# EAGLE board AU_MacroPad - 8 Panel (EAGLE 9.6.2), part 1 of 5
REV: D
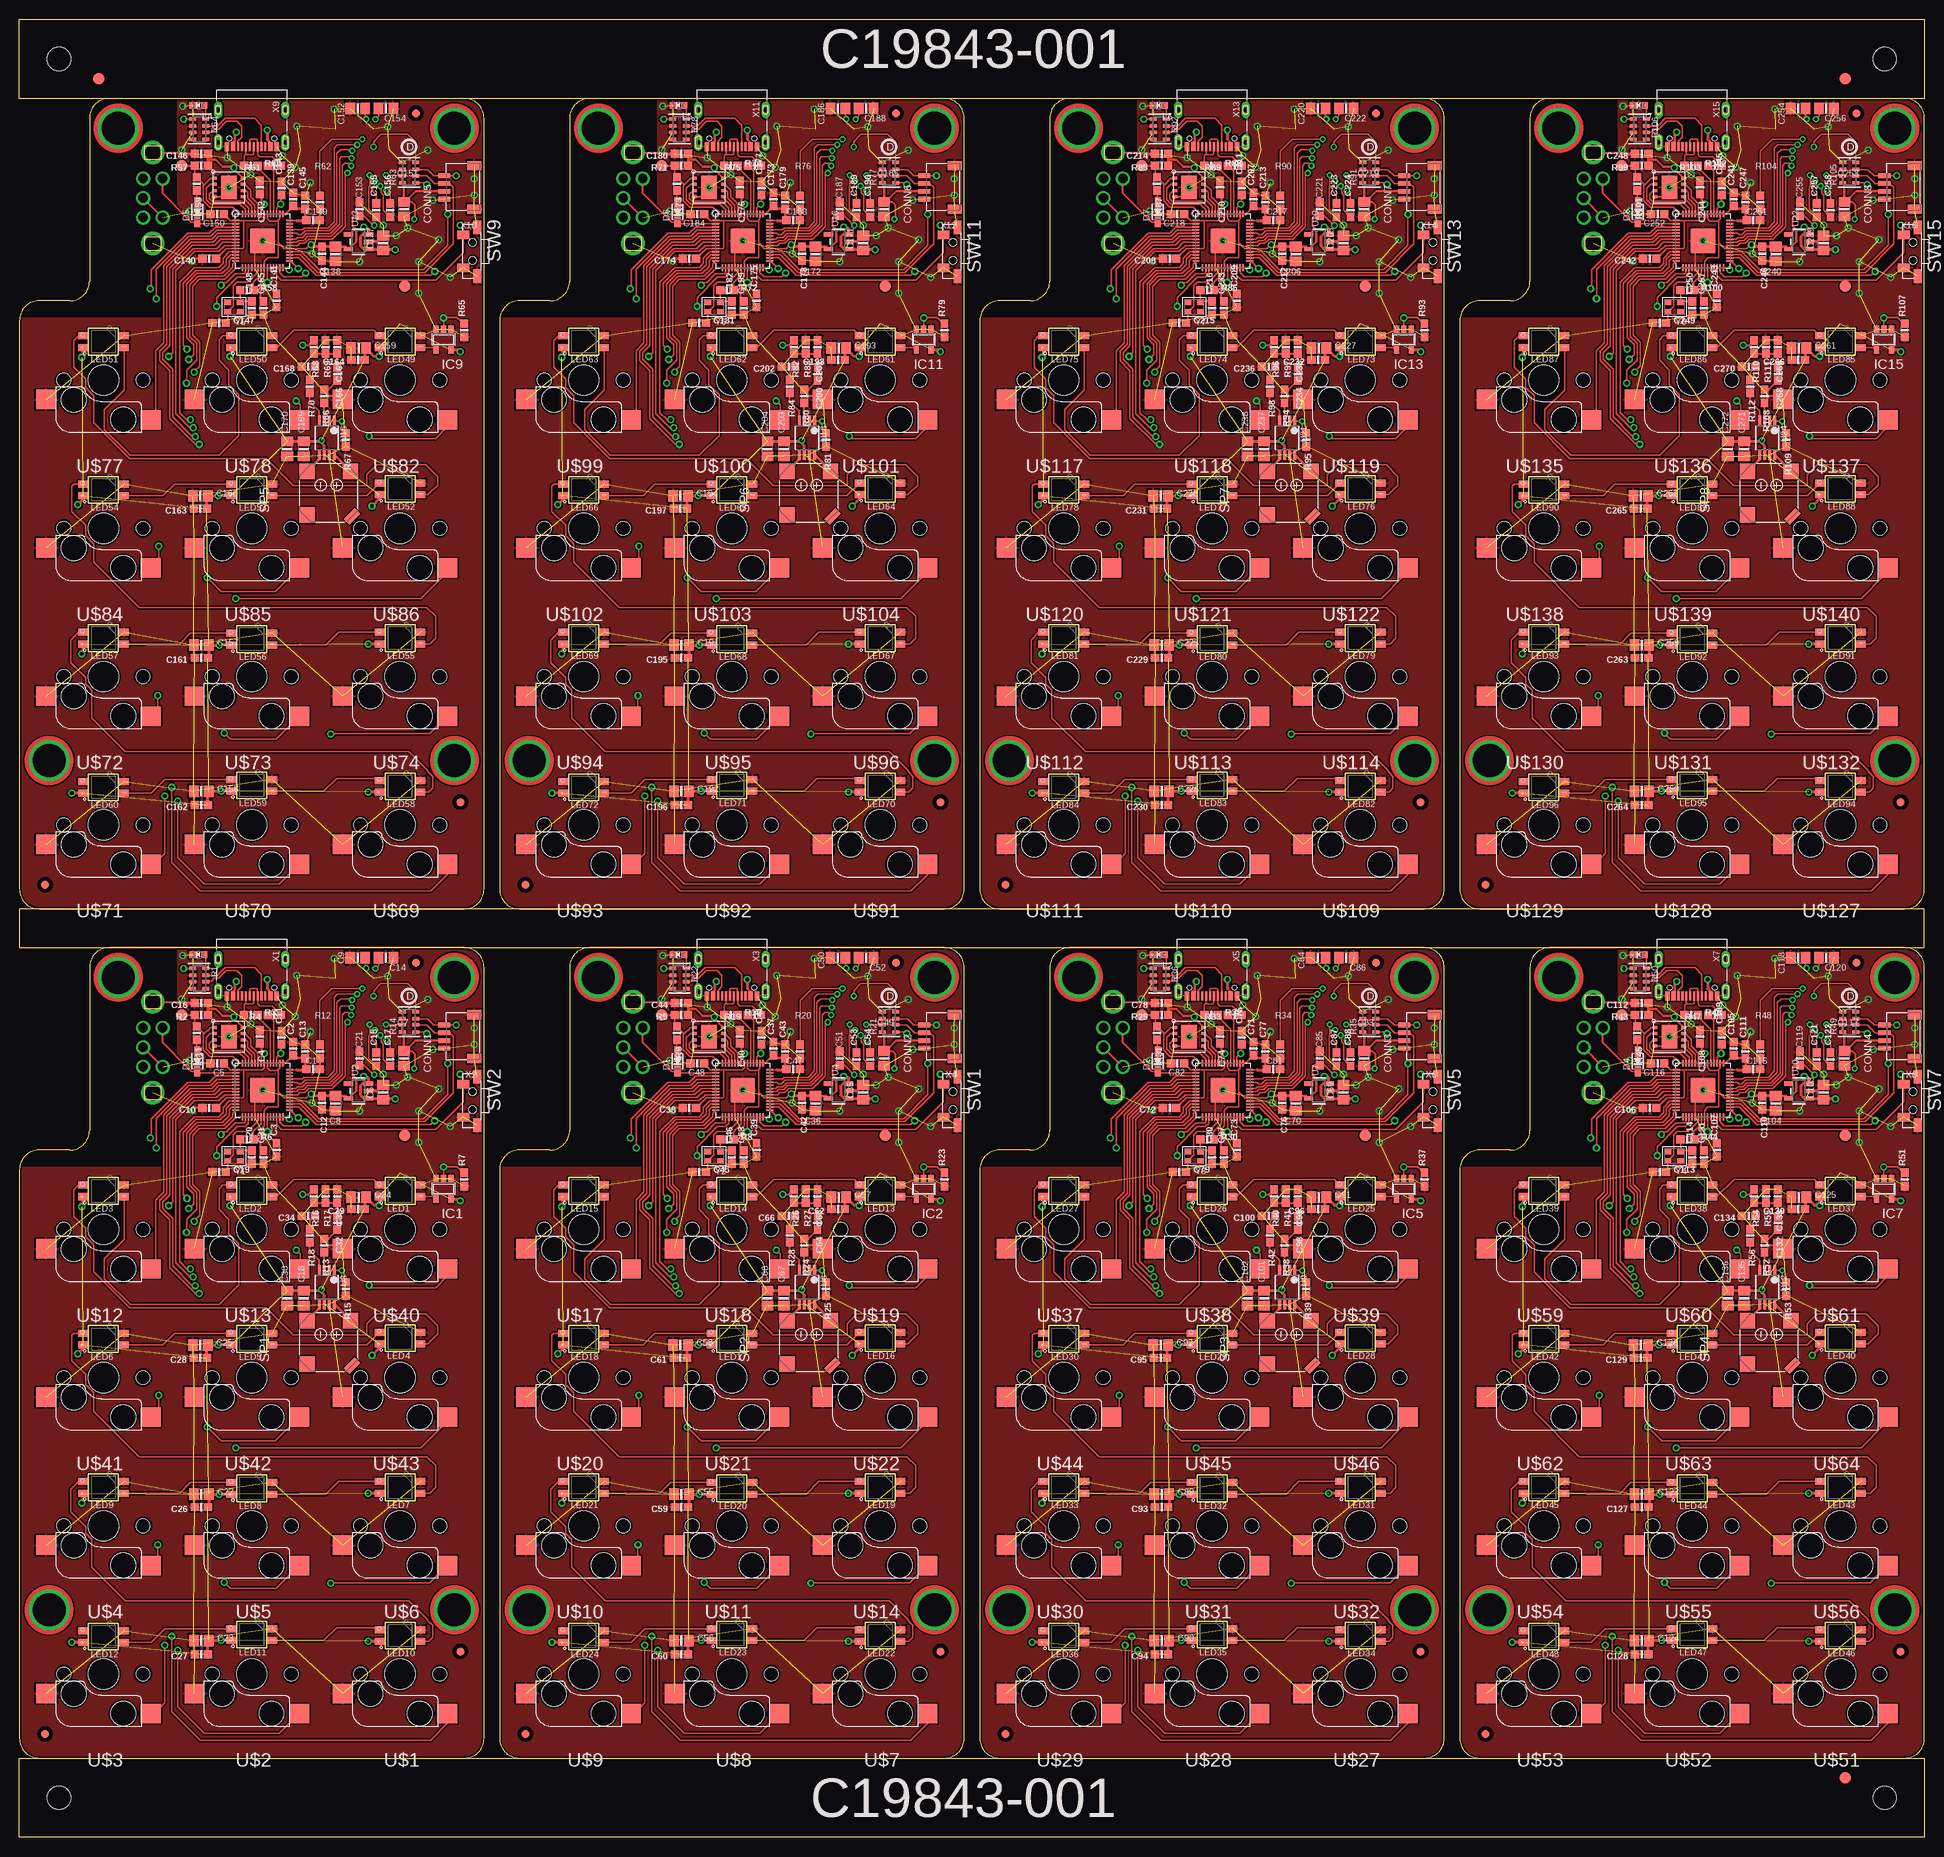
[diagram p0: board, top side]
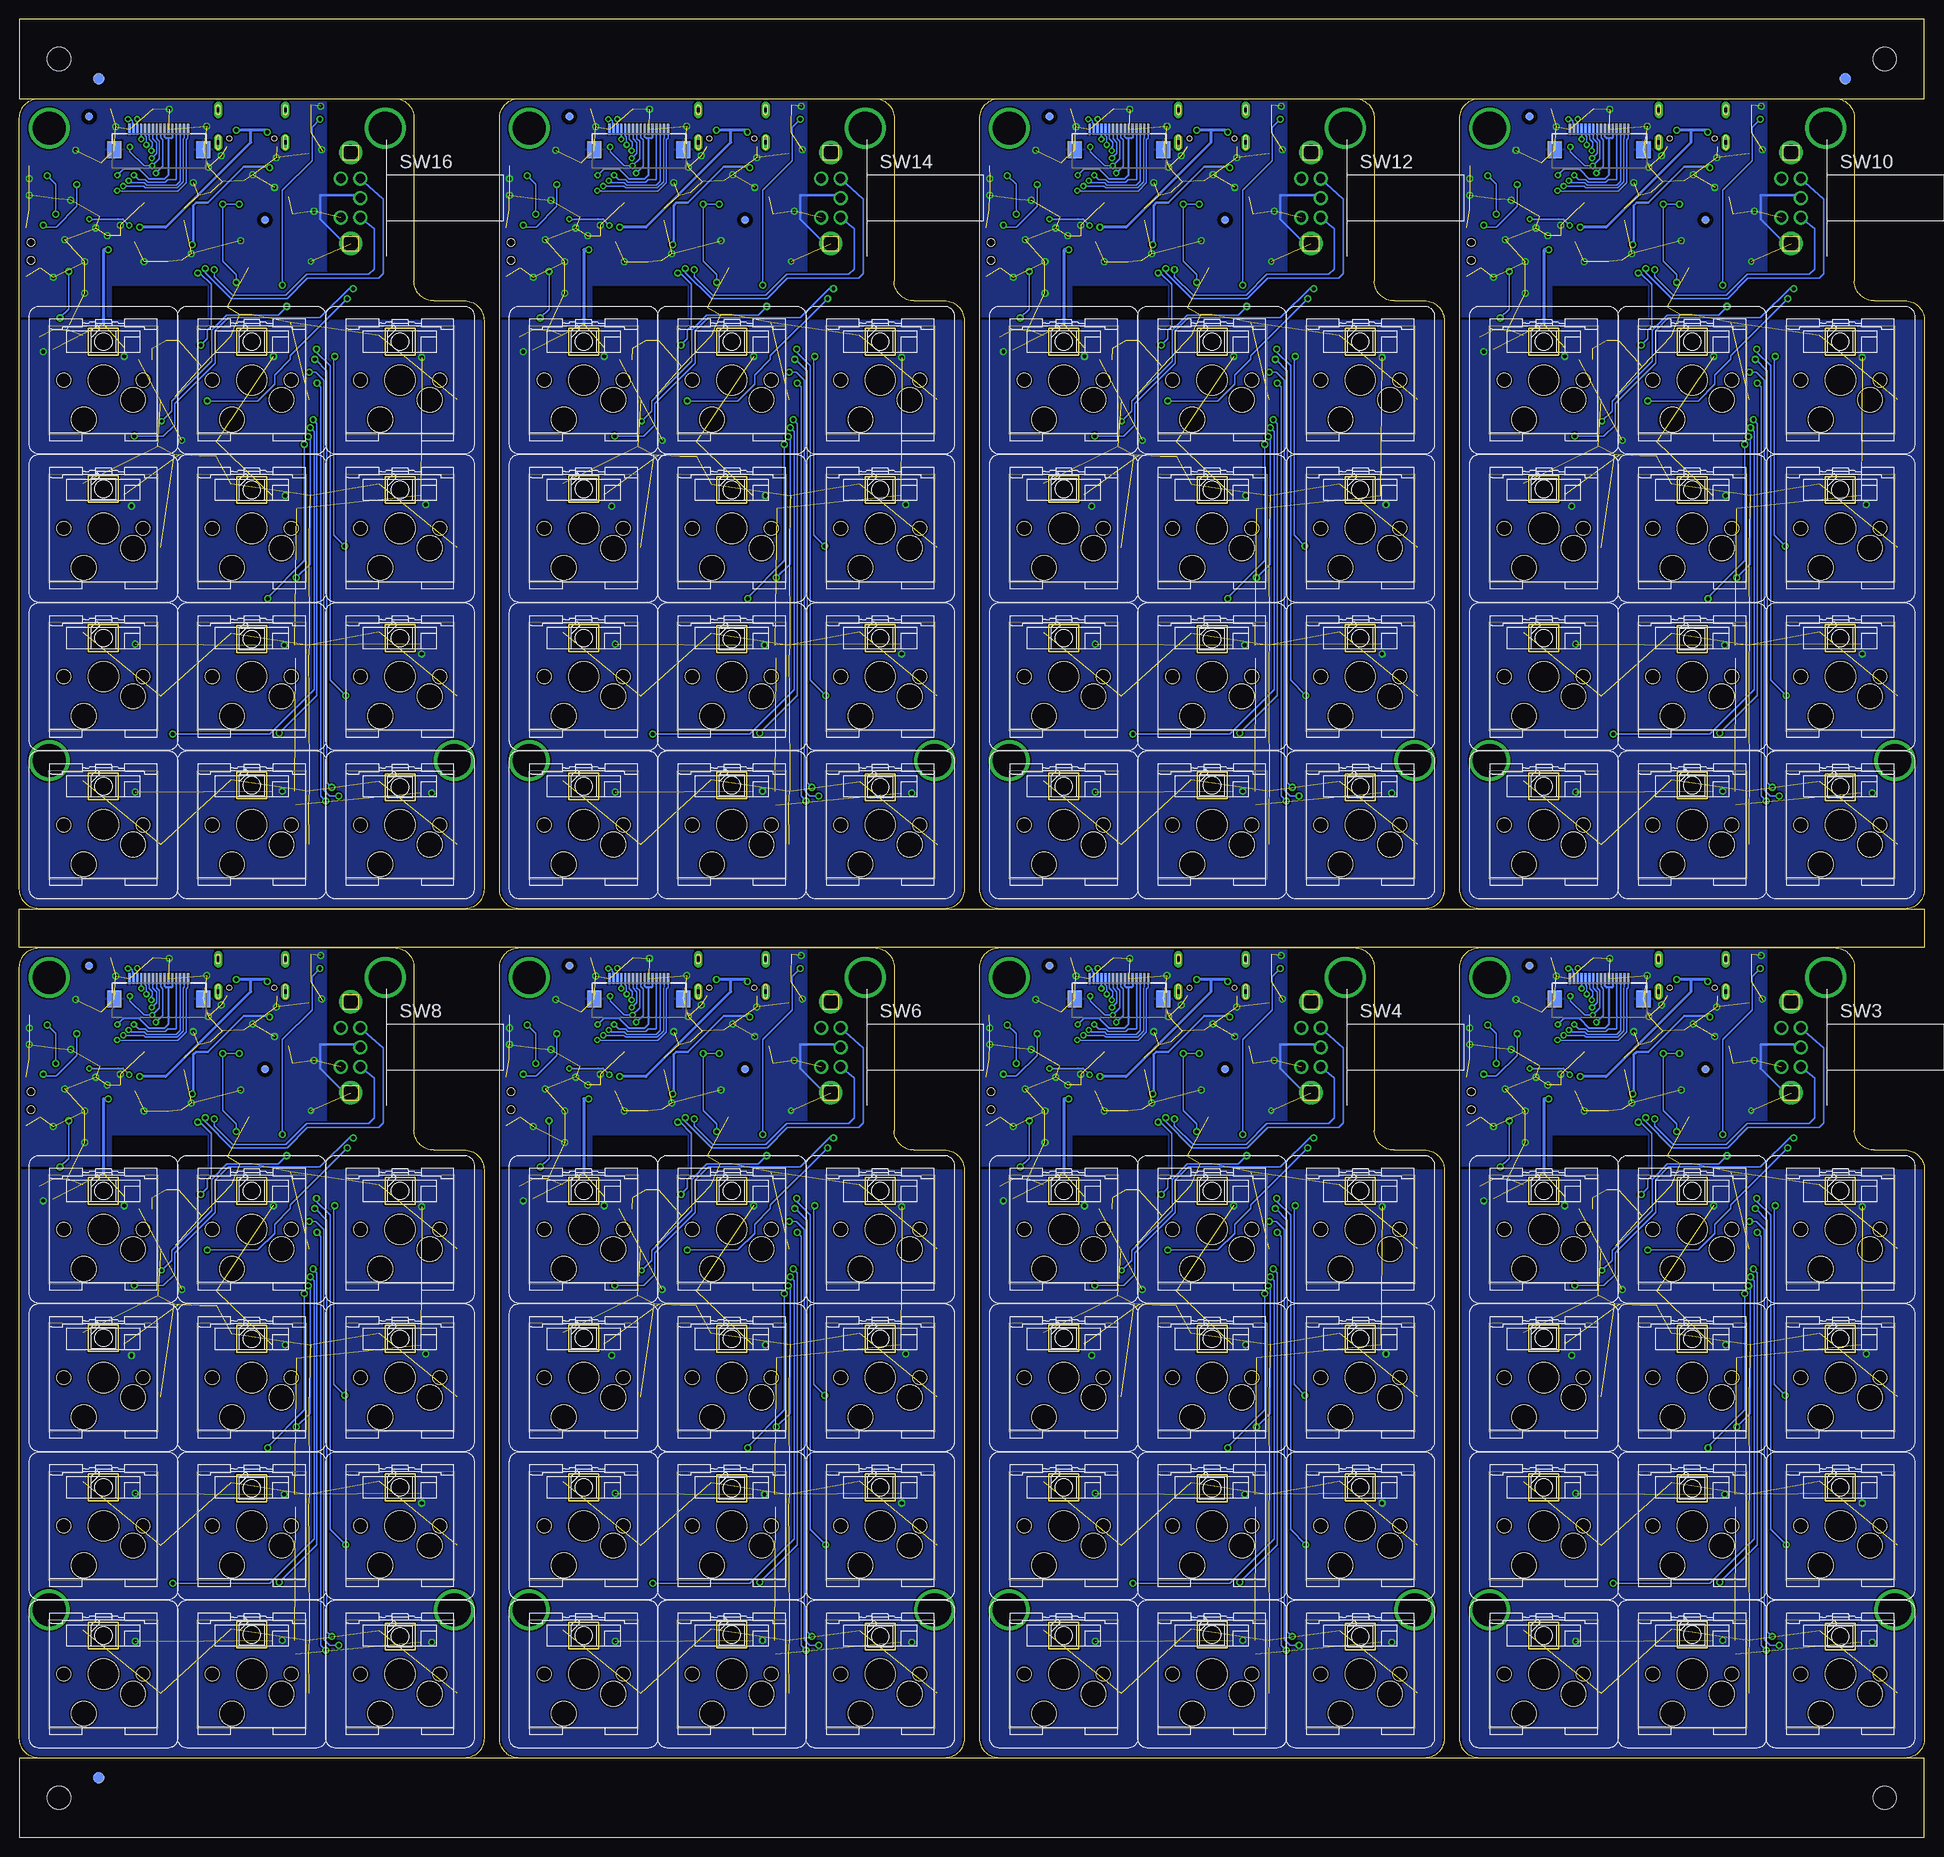
[diagram p1: board, bottom side, seen from below]

Size 244.76 x 233.6 mm. Coordinates in mm from the lower left corner, seen from the top.
Outline: 46.97,24.18 46.97,27.64 50.82,27.64 50.82,24.18 46.97,24.18
Outline: 8.87,43.23 8.87,46.69 12.72,46.69 12.72,43.23 8.87,43.23
Outline: 27.92,43.1 27.92,46.56 31.77,46.56 31.77,43.1 27.92,43.1
Outline: 46.97,43.23 46.97,46.69 50.82,46.69 50.82,43.23 46.97,43.23
Outline: 8.87,62.28 8.87,65.73 12.72,65.73 12.72,62.28 8.87,62.28
Outline: 27.92,62.28 27.92,65.73 31.77,65.73 31.77,62.28 27.92,62.28
Outline: 46.97,62.41 46.97,65.86 50.82,65.86 50.82,62.41 46.97,62.41
Outline: 8.87,81.33 8.87,84.78 12.72,84.78 12.72,81.33 8.87,81.33
Outline: 27.92,24.31 27.92,27.76 31.77,27.76 31.77,24.31 27.92,24.31
Outline: 46.97,81.33 46.97,84.78 50.82,84.78 50.82,81.33 46.97,81.33
Outline: 27.92,81.33 27.92,84.78 31.77,84.78 31.77,81.33 27.92,81.33
Outline: 8.87,24.05 8.87,27.51 12.72,27.51 12.72,24.05 8.87,24.05
Outline: 6.46,88.3 2.54,88.3 arc90 0,85.76 0,12.7 arc90 2.54,10.16 57.15,10.16 arc90 59.69,12.7 59.69,111.76 arc90 57.15,114.3 11.54,114.3 arc90 9,111.76 9,90.84 arc-90 6.46,88.3
Outline: 108.66,24.18 108.66,27.64 112.51,27.64 112.51,24.18 108.66,24.18
Outline: 70.56,43.23 70.56,46.69 74.41,46.69 74.41,43.23 70.56,43.23
Outline: 89.61,43.1 89.61,46.56 93.46,46.56 93.46,43.1 89.61,43.1
Outline: 108.66,43.23 108.66,46.69 112.51,46.69 112.51,43.23 108.66,43.23
Outline: 70.56,62.28 70.56,65.73 74.41,65.73 74.41,62.28 70.56,62.28
Outline: 89.61,62.28 89.61,65.73 93.46,65.73 93.46,62.28 89.61,62.28
Outline: 108.66,62.41 108.66,65.86 112.51,65.86 112.51,62.41 108.66,62.41
Outline: 70.56,81.33 70.56,84.78 74.41,84.78 74.41,81.33 70.56,81.33
Outline: 89.61,24.31 89.61,27.76 93.46,27.76 93.46,24.31 89.61,24.31
Outline: 108.66,81.33 108.66,84.78 112.51,84.78 112.51,81.33 108.66,81.33
Outline: 89.61,81.33 89.61,84.78 93.46,84.78 93.46,81.33 89.61,81.33
Outline: 70.56,24.05 70.56,27.51 74.41,27.51 74.41,24.05 70.56,24.05
Outline: 68.15,88.3 64.23,88.3 arc90 61.69,85.76 61.69,12.7 arc90 64.23,10.16 118.84,10.16 arc90 121.38,12.7 121.38,111.76 arc90 118.84,114.3 73.23,114.3 arc90 70.69,111.76 70.69,90.84 arc-90 68.15,88.3
Outline: 170.35,24.18 170.35,27.64 174.2,27.64 174.2,24.18 170.35,24.18
Outline: 132.25,43.23 132.25,46.69 136.1,46.69 136.1,43.23 132.25,43.23
Outline: 151.3,43.1 151.3,46.56 155.15,46.56 155.15,43.1 151.3,43.1
Outline: 170.35,43.23 170.35,46.69 174.2,46.69 174.2,43.23 170.35,43.23
Outline: 132.25,62.28 132.25,65.73 136.1,65.73 136.1,62.28 132.25,62.28
Outline: 151.3,62.28 151.3,65.73 155.15,65.73 155.15,62.28 151.3,62.28
Outline: 170.35,62.41 170.35,65.86 174.2,65.86 174.2,62.41 170.35,62.41
Outline: 132.25,81.33 132.25,84.78 136.1,84.78 136.1,81.33 132.25,81.33
Outline: 151.3,24.31 151.3,27.76 155.15,27.76 155.15,24.31 151.3,24.31
Outline: 170.35,81.33 170.35,84.78 174.2,84.78 174.2,81.33 170.35,81.33
Outline: 151.3,81.33 151.3,84.78 155.15,84.78 155.15,81.33 151.3,81.33
Outline: 132.25,24.05 132.25,27.51 136.1,27.51 136.1,24.05 132.25,24.05
Outline: 129.84,88.3 125.92,88.3 arc90 123.38,85.76 123.38,12.7 arc90 125.92,10.16 180.53,10.16 arc90 183.07,12.7 183.07,111.76 arc90 180.53,114.3 134.92,114.3 arc90 132.38,111.76 132.38,90.84 arc-90 129.84,88.3
Outline: 232.04,24.18 232.04,27.64 235.89,27.64 235.89,24.18 232.04,24.18
Outline: 193.94,43.23 193.94,46.69 197.79,46.69 197.79,43.23 193.94,43.23
Outline: 212.99,43.1 212.99,46.56 216.84,46.56 216.84,43.1 212.99,43.1
Outline: 232.04,43.23 232.04,46.69 235.89,46.69 235.89,43.23 232.04,43.23
Outline: 193.94,62.28 193.94,65.73 197.79,65.73 197.79,62.28 193.94,62.28
Outline: 212.99,62.28 212.99,65.73 216.84,65.73 216.84,62.28 212.99,62.28
Outline: 232.04,62.41 232.04,65.86 235.89,65.86 235.89,62.41 232.04,62.41
Outline: 193.94,81.33 193.94,84.78 197.79,84.78 197.79,81.33 193.94,81.33
Outline: 212.99,24.31 212.99,27.76 216.84,27.76 216.84,24.31 212.99,24.31
Outline: 232.04,81.33 232.04,84.78 235.89,84.78 235.89,81.33 232.04,81.33
Outline: 212.99,81.33 212.99,84.78 216.84,84.78 216.84,81.33 212.99,81.33
Outline: 193.94,24.05 193.94,27.51 197.79,27.51 197.79,24.05 193.94,24.05
Outline: 191.53,88.3 187.61,88.3 arc90 185.07,85.76 185.07,12.7 arc90 187.61,10.16 242.22,10.16 arc90 244.76,12.7 244.76,111.76 arc90 242.22,114.3 196.61,114.3 arc90 194.07,111.76 194.07,90.84 arc-90 191.53,88.3
Outline: 46.97,133.32 46.97,136.78 50.82,136.78 50.82,133.32 46.97,133.32
Outline: 8.87,152.37 8.87,155.83 12.72,155.83 12.72,152.37 8.87,152.37
Outline: 27.92,152.25 27.92,155.7 31.77,155.7 31.77,152.25 27.92,152.25
Outline: 46.97,152.37 46.97,155.83 50.82,155.83 50.82,152.37 46.97,152.37
Outline: 8.87,171.42 8.87,174.88 12.72,174.88 12.72,171.42 8.87,171.42
Outline: 27.92,171.42 27.92,174.88 31.77,174.88 31.77,171.42 27.92,171.42
Outline: 46.97,171.55 46.97,175 50.82,175 50.82,171.55 46.97,171.55
Outline: 8.87,190.47 8.87,193.93 12.72,193.93 12.72,190.47 8.87,190.47
Outline: 27.92,133.45 27.92,136.9 31.77,136.9 31.77,133.45 27.92,133.45
Outline: 46.97,190.47 46.97,193.93 50.82,193.93 50.82,190.47 46.97,190.47
Outline: 27.92,190.47 27.92,193.93 31.77,193.93 31.77,190.47 27.92,190.47
Outline: 8.87,133.19 8.87,136.65 12.72,136.65 12.72,133.19 8.87,133.19
Outline: 6.46,197.44 2.54,197.44 arc90 0,194.9 0,121.84 arc90 2.54,119.3 57.15,119.3 arc90 59.69,121.84 59.69,220.9 arc90 57.15,223.44 11.54,223.44 arc90 9,220.9 9,199.98 arc-90 6.46,197.44
Outline: 108.66,133.32 108.66,136.78 112.51,136.78 112.51,133.32 108.66,133.32
Outline: 70.56,152.37 70.56,155.83 74.41,155.83 74.41,152.37 70.56,152.37
Outline: 89.61,152.25 89.61,155.7 93.46,155.7 93.46,152.25 89.61,152.25
Outline: 108.66,152.37 108.66,155.83 112.51,155.83 112.51,152.37 108.66,152.37
Outline: 70.56,171.42 70.56,174.88 74.41,174.88 74.41,171.42 70.56,171.42
Outline: 89.61,171.42 89.61,174.88 93.46,174.88 93.46,171.42 89.61,171.42
Outline: 108.66,171.55 108.66,175 112.51,175 112.51,171.55 108.66,171.55
Outline: 70.56,190.47 70.56,193.93 74.41,193.93 74.41,190.47 70.56,190.47
Outline: 89.61,133.45 89.61,136.9 93.46,136.9 93.46,133.45 89.61,133.45
Outline: 108.66,190.47 108.66,193.93 112.51,193.93 112.51,190.47 108.66,190.47
Outline: 89.61,190.47 89.61,193.93 93.46,193.93 93.46,190.47 89.61,190.47
Outline: 70.56,133.19 70.56,136.65 74.41,136.65 74.41,133.19 70.56,133.19
Outline: 68.15,197.44 64.23,197.44 arc90 61.69,194.9 61.69,121.84 arc90 64.23,119.3 118.84,119.3 arc90 121.38,121.84 121.38,220.9 arc90 118.84,223.44 73.23,223.44 arc90 70.69,220.9 70.69,199.98 arc-90 68.15,197.44
Outline: 170.35,133.32 170.35,136.78 174.2,136.78 174.2,133.32 170.35,133.32
Outline: 132.25,152.37 132.25,155.83 136.1,155.83 136.1,152.37 132.25,152.37
Outline: 151.3,152.25 151.3,155.7 155.15,155.7 155.15,152.25 151.3,152.25
Outline: 170.35,152.37 170.35,155.83 174.2,155.83 174.2,152.37 170.35,152.37
Outline: 132.25,171.42 132.25,174.88 136.1,174.88 136.1,171.42 132.25,171.42
Outline: 151.3,171.42 151.3,174.88 155.15,174.88 155.15,171.42 151.3,171.42
Outline: 170.35,171.55 170.35,175 174.2,175 174.2,171.55 170.35,171.55
Outline: 132.25,190.47 132.25,193.93 136.1,193.93 136.1,190.47 132.25,190.47
Outline: 151.3,133.45 151.3,136.9 155.15,136.9 155.15,133.45 151.3,133.45
Outline: 170.35,190.47 170.35,193.93 174.2,193.93 174.2,190.47 170.35,190.47
Outline: 151.3,190.47 151.3,193.93 155.15,193.93 155.15,190.47 151.3,190.47
Outline: 132.25,133.19 132.25,136.65 136.1,136.65 136.1,133.19 132.25,133.19
Outline: 129.84,197.44 125.92,197.44 arc90 123.38,194.9 123.38,121.84 arc90 125.92,119.3 180.53,119.3 arc90 183.07,121.84 183.07,220.9 arc90 180.53,223.44 134.92,223.44 arc90 132.38,220.9 132.38,199.98 arc-90 129.84,197.44
Outline: 232.04,133.32 232.04,136.78 235.89,136.78 235.89,133.32 232.04,133.32
Outline: 193.94,152.37 193.94,155.83 197.79,155.83 197.79,152.37 193.94,152.37
Outline: 212.99,152.25 212.99,155.7 216.84,155.7 216.84,152.25 212.99,152.25
Outline: 232.04,152.37 232.04,155.83 235.89,155.83 235.89,152.37 232.04,152.37
Outline: 193.94,171.42 193.94,174.88 197.79,174.88 197.79,171.42 193.94,171.42
Outline: 212.99,171.42 212.99,174.88 216.84,174.88 216.84,171.42 212.99,171.42
Outline: 232.04,171.55 232.04,175 235.89,175 235.89,171.55 232.04,171.55
Outline: 193.94,190.47 193.94,193.93 197.79,193.93 197.79,190.47 193.94,190.47
Outline: 212.99,133.45 212.99,136.9 216.84,136.9 216.84,133.45 212.99,133.45
Outline: 232.04,190.47 232.04,193.93 235.89,193.93 235.89,190.47 232.04,190.47
Outline: 212.99,190.47 212.99,193.93 216.84,193.93 216.84,190.47 212.99,190.47
Outline: 193.94,133.19 193.94,136.65 197.79,136.65 197.79,133.19 193.94,133.19
Outline: 191.53,197.44 187.61,197.44 arc90 185.07,194.9 185.07,121.84 arc90 187.61,119.3 242.22,119.3 arc90 244.76,121.84 244.76,220.9 arc90 242.22,223.44 196.61,223.44 arc90 194.07,220.9 194.07,199.98 arc-90 191.53,197.44
Outline: 0,10.16 244.76,10.16 244.76,0 0,0 0,10.16
Outline: 0,233.6 244.76,233.6 244.76,223.44 0,223.44 0,233.6
Outline: 0,114.3 244.76,114.3 244.76,119.3 0,119.3 0,114.3
Copper layers (1*16): Top 0.035mm / dielectric 1.5mm / Bottom 0.035mm
Design rules "Dev": minimum track width 7mil, minimum drill 15.5mil, track to track 7mil, track to pad 7mil, pad to pad 7mil, via to via 7mil, smd to smd 7mil, copper to edge 10mil, drill to drill 8mil, minimum pad ring 10mil, minimum via ring 8mil, stop-mask expansion 2mil, vias tented up to drill 20mil, thermal gap 10mil
Net classes: 1 power: width 0.254 mm; 2 5V: width 0.406 mm, drill 0.483 mm
Holes 3 mm at 5.08,5.08 239.68,5.08 5.08,228.52 239.68,228.52
bRestrict: area 35.6,85.9 to 47.8,90.2; area 97.2,85.9 to 109.4,90.2; area 158.9,85.9 to 171.1,90.2; area 220.6,85.9 to 232.8,90.2; area 35.6,195 to 47.8,199.3; area 97.2,195 to 109.4,199.3; area 158.9,195 to 171.1,199.3; area 220.6,195 to 232.8,199.3

## Footprints (pad centres in the part's own frame; a part is rotated, then mirrored left to right if it is on the bottom)
0603-NO = smd 1.075 x 1: 1 -0.85,0; 2 0.85,0
0805-NO = smd 1.24 x 1.5: 1 -0.95,0; 2 0.95,0
JST_SH4 = smd 0.6 x 1.55: 1 -1.5,2.006; 2 -0.5,2.006; 3 0.5,2.006; 4 1.5,2.006 | smd 1.2 x 1.8: MT1 -2.8,-1.894; MT2 2.8,-1.894
SOD-323 = smd 1.35 x 0.8: A 1.27,0; C -1.27,0
FIDUCIAL-1.5X3 = smd 1.5 x 1.5: 1 0,0
SOT23-5 = smd 0.69 x 0.99: 1 -0.95,-1.29; 2 0,-1.29; 3 0.95,-1.29; 4 0.95,1.3; 5 -0.95,1.3
QFN56_7MM_REDUCEDEPAD = smd 0.875 x 0.2: 1 -3.45,2.6; 2 -3.45,2.2; 3 -3.45,1.8; 4 -3.45,1.4; 5 -3.45,1; 6 -3.45,0.6; 7 -3.45,0.2; 8 -3.45,-0.2; 9 -3.45,-0.6; 10 -3.45,-1; 11 -3.45,-1.4; 12 -3.45,-1.8; 13 -3.45,-2.2; 14 -3.45,-2.6; 29 3.45,-2.6; 30 3.45,-2.2; 31 3.45,-1.8; 32 3.45,-1.4; 33 3.45,-1; 34 3.45,-0.6; 35 3.45,-0.2; 36 3.45,0.2; 37 3.45,0.6; 38 3.45,1; 39 3.45,1.4; 40 3.45,1.8; 41 3.45,2.2; 42 3.45,2.6 | smd 0.2 x 0.875: 15 -2.6,-3.45; 16 -2.2,-3.45; 17 -1.8,-3.45; 18 -1.4,-3.45; 19 -1,-3.45; 20 -0.6,-3.45; 21 -0.2,-3.45; 22 0.2,-3.45; 23 0.6,-3.45; 24 1,-3.45; 25 1.4,-3.45; 26 1.8,-3.45; 27 2.2,-3.45; 28 2.6,-3.45; 43 2.6,3.45; 44 2.2,3.45; 45 1.8,3.45; 46 1.4,3.45; 47 1,3.45; 48 0.6,3.45; 49 0.2,3.45; 50 -0.2,3.45; 51 -0.6,3.45; 52 -1,3.45; 53 -1.4,3.45; 54 -1.8,3.45; 55 -2.2,3.45; 56 -2.6,3.45 | smd 3.2 x 3.2: P$1 0,0
CHIPLED_0603_NOOUTLINE = smd 0.8 x 0.8: A 0,-0.75; C 0,0.75
NEO3535_REVERSE = smd 1.2 x 0.9 bottom: 1-VDD 2.65,-0.75; 2-DOUT 2.65,0.75; 3-GND -2.65,0.75; 4-DIN -2.65,-0.75
RESPACK_4X0603 = smd 0.45 x 0.9: 1 -1.3,-0.85; 2 -0.4,-0.85; 3 0.4,-0.85; 4 1.3,-0.85; 5 1.3,0.85; 6 0.4,0.85; 7 -0.4,0.85; 8 -1.3,0.85
BUZZER_SMT_7.5MM = smd 2 x 2: + 2.8,-2.8; - 2.8,2.8; MT2 -2.8,2.8 | smd 2 x 1 rotated 135: MT -3,-3
SPST_TACTILE_RA = smd 1.1 x 1.5: 1 2.1,-0.9; 2 -2.1,-0.9 | smd 1.75 x 1: MT1 3.175,0.9; MT2 -3.075,0.9 | hole 1: 1.15,0.3; -1.15,0.3
EN11-VSM1AF15 = drill 1.2: A 1.25,-2.5; B 1.25,2.5; C 1.25,0; D -1.25,-2.5; E -1.25,2.5 | drill 2: P$1 0,5.85; P$2 0,-5.85
SMT_NUT_3MM = drill 4.25 pad 4.572: P$1 0,0
TESTPOINT_ROUND_1.5MM_NO = smd 1.5 x 1.5: P$1 0,0
USON8_4X4 = smd 0.6 x 0.4: 1 -1.85,1.2; 2 -1.85,0.4; 3 -1.85,-0.4; 4 -1.85,-1.2; 5 1.85,-1.2; 6 1.85,-0.4; 7 1.85,0.4; 8 1.85,1.2 | smd 2 x 3: PAD 0,0
SOT23-5' = smd 0.55 x 1.2: 1 -0.95,-1.3; 2 0,-1.3; 3 0.95,-1.3; 4 0.95,1.3; 5 -0.95,1.3
MSOP8_0.65MM = smd 0.4 x 1.3: 1 -0.975,-2.2; 2 -0.325,-2.2; 3 0.325,-2.2; 4 0.975,-2.2; 5 0.975,2.2; 6 0.325,2.2; 7 -0.325,2.2; 8 -0.975,2.2
KAILH_SOCKET = smd 2.55 x 2.5 bottom: 1 6.09,5.08; 2 -7.36,2.5 | hole 3.9: 0,0 | hole 3.2: 2.54,5.08; -3.81,2.54 | hole 1.813: 5.08,0; -5.08,0
FIDUCIAL_1MM = smd 1 x 1: 1 0,0
USB_C_CUSB31-CFM2AX-01-X = smd 0.575 x 1.15: A1B12 -3.2,2.275; A4B9 -2.4,2.275; B1A12 3.2,2.275; B4A9 2.4,2.275 | smd 0.275 x 1.15: A5 -1.25,2.275; A6 -0.25,2.275; A7 0.25,2.275; A8 1.25,2.275; B5 1.75,2.275; B6 0.75,2.275; B7 -0.75,2.275; B8 -1.75,2.275 | drill 0.6 pad 1 long: M1 -4.32,1.7; M2 4.32,1.7; M3 -4.32,-2.48; M4 4.32,-2.48 | hole 0.65: 2.89,1.2; -2.89,1.2
ZJY130-2864KSWLG22_JUSTCONN = smd 0.3 x 1.4 bottom: 1 3.75,-1.14; 2 3.25,-1.14; 3 2.75,-1.14; 4 2.25,-1.14; 5 1.75,-1.14; 6 1.25,-1.14; 7 0.75,-1.14; 8 0.25,-1.14; 9 -0.25,-1.14; 10 -0.75,-1.14; 11 -1.25,-1.14; 12 -1.75,-1.14; 13 -2.25,-1.14; 14 -2.75,-1.14; 15 -3.25,-1.14; 16 -3.75,-1.14 | smd 1.8 x 2.2 bottom: SUPPORT1 -5.7,1.488; SUPPORT2 5.7,1.488
CRYSTAL_2.5X2 = smd 0.9 x 0.75: 1 -0.825,-0.625; 2 0.825,-0.625; 3 0.825,0.625; 4 -0.825,0.625

## Placement (x,y rotation side)
C1  1uF  [0603-NO]  37.72,98.68 0 top
C2  1uF  [0603-NO]  35.18,101.35 90 top
C3  0.1uF  [0603-NO]  33.02,88.33 90 top
C4  0.1uF  [0603-NO]  30.86,102.87 270 top
C5  0.1uF  [0603-NO]  25.4,99.44 180 top
C6  10uF  [0805-NO]  46.73,95.72 90 top
C7  10uF  [0805-NO]  49.4,100.08 90 top
C8  10uF  [0805-NO]  40.59,94.3 270 top
C9  10uF  [0805-NO]  43.45,113.02 0 top
C10  0.1uF  [0603-NO]  24.38,93.73 180 top
C11  1uF  [0603-NO]  33.66,102.74 90 top
C12  0.1uF  [0603-NO]  38.86,94.36 270 top
C13  0.1uF  [0603-NO]  36.7,100.97 90 top
C14  10uF  [0805-NO]  47.09,113.02 180 top
C15  1uF  [0603-NO]  45.85,99.95 90 top
C16  0.1uF  [0603-NO]  23.37,107.19 180 top
C17  1uF  [0603-NO]  47.62,99.95 90 top
C18  10uF  [0805-NO]  36.53,69.27 90 top
C19  22pF  [0603-NO]  25.65,85.47 0 top
C20  22pF  [0603-NO]  29.84,87.38 90 top
C21  0.1uF  [0603-NO]  43.69,100.08 270 top
C22  10uF  [0805-NO]  23.37,44.07 0 top
C23  10uF  [0805-NO]  23.37,25.27 0 top
C24  10uF  [0805-NO]  43.56,82.23 0 top
C25  10uF  [0805-NO]  23.24,63.25 0 top
C26  0.1uF  [0603-NO]  23.37,42.42 180 top
C27  0.1uF  [0603-NO]  23.37,23.5 180 top
C28  0.1uF  [0603-NO]  23.24,61.59 180 top
C29  0.1uF  [0603-NO]  43.5,80.71 180 top
C30  10uF  [0805-NO]  34.41,69.27 90 top
C31  0.1uF  [0603-NO]  31.37,87.38 90 top
C32  0.1uF  [0603-NO]  40.84,78.9 270 top
C33  10nF  [0603-NO]  40.84,82.37 270 top
C34  0.1uF  [0603-NO]  37.12,79.83 180 top
C35  10uF  [0805-NO]  108.42,95.72 90 top
C36  10uF  [0805-NO]  102.28,94.3 270 top
C37  1uF  [0603-NO]  96.87,101.35 90 top
C38  0.1uF  [0603-NO]  86.07,93.73 180 top
C39  0.1uF  [0603-NO]  94.71,88.33 90 top
C40  0.1uF  [0603-NO]  92.55,102.87 270 top
C41  1uF  [0603-NO]  95.34,102.74 90 top
C42  0.1uF  [0603-NO]  100.55,94.36 270 top
C43  0.1uF  [0603-NO]  98.39,100.97 90 top
C44  0.1uF  [0603-NO]  85.06,107.19 180 top
C45  22pF  [0603-NO]  87.34,85.47 0 top
C46  22pF  [0603-NO]  91.53,87.38 90 top
C47  1uF  [0603-NO]  99.41,98.68 0 top
C48  0.1uF  [0603-NO]  87.09,99.44 180 top
C49  10uF  [0805-NO]  111.09,100.08 90 top
C50  10uF  [0805-NO]  105.14,113.02 0 top
C51  0.1uF  [0603-NO]  105.38,100.08 270 top
C52  10uF  [0805-NO]  108.78,113.02 180 top
C53  1uF  [0603-NO]  107.54,99.95 90 top
C54  1uF  [0603-NO]  109.31,99.95 90 top
C55  10uF  [0805-NO]  85.06,44.07 0 top
C56  10uF  [0805-NO]  85.06,25.27 0 top
C57  10uF  [0805-NO]  105.25,82.23 0 top
C58  10uF  [0805-NO]  84.93,63.25 0 top
C59  0.1uF  [0603-NO]  85.06,42.42 180 top
C60  0.1uF  [0603-NO]  85.06,23.5 180 top
C61  0.1uF  [0603-NO]  84.93,61.59 180 top
C62  0.1uF  [0603-NO]  105.19,80.71 180 top
C63  0.1uF  [0603-NO]  93.06,87.38 90 top
C64  0.1uF  [0603-NO]  102.53,78.9 270 top
C65  10nF  [0603-NO]  102.53,82.37 270 top
C66  0.1uF  [0603-NO]  98.81,79.83 180 top
C67  10uF  [0805-NO]  98.22,69.27 90 top
C68  10uF  [0805-NO]  96.1,69.27 90 top
C69  10uF  [0805-NO]  170.11,95.72 90 top
C70  10uF  [0805-NO]  163.97,94.3 270 top
C71  1uF  [0603-NO]  158.56,101.35 90 top
C72  0.1uF  [0603-NO]  147.76,93.73 180 top
C73  0.1uF  [0603-NO]  156.4,88.33 90 top
C74  0.1uF  [0603-NO]  154.24,102.87 270 top
C75  1uF  [0603-NO]  157.04,102.74 90 top
C76  0.1uF  [0603-NO]  162.24,94.36 270 top
C77  0.1uF  [0603-NO]  160.08,100.97 90 top
C78  0.1uF  [0603-NO]  146.75,107.19 180 top
C79  22pF  [0603-NO]  149.03,85.47 0 top
C80  22pF  [0603-NO]  153.23,87.38 90 top
C81  1uF  [0603-NO]  161.1,98.68 0 top
C82  0.1uF  [0603-NO]  148.78,99.44 180 top
C83  10uF  [0805-NO]  172.78,100.08 90 top
C84  10uF  [0805-NO]  166.83,113.02 0 top
C85  0.1uF  [0603-NO]  167.07,100.08 270 top
C86  10uF  [0805-NO]  170.47,113.02 180 top
C87  1uF  [0603-NO]  169.23,99.95 90 top
C88  1uF  [0603-NO]  171.01,99.95 90 top
C89  10uF  [0805-NO]  146.75,44.07 0 top
C90  10uF  [0805-NO]  146.75,25.27 0 top
C91  10uF  [0805-NO]  166.94,82.23 0 top
C92  10uF  [0805-NO]  146.62,63.25 0 top
C93  0.1uF  [0603-NO]  146.75,42.42 180 top
C94  0.1uF  [0603-NO]  146.75,23.5 180 top
C95  0.1uF  [0603-NO]  146.62,61.59 180 top
C96  0.1uF  [0603-NO]  166.88,80.71 180 top
C97  0.1uF  [0603-NO]  154.75,87.38 90 top
C98  0.1uF  [0603-NO]  164.22,78.9 270 top
C99  10nF  [0603-NO]  164.22,82.37 270 top
C100  0.1uF  [0603-NO]  160.5,79.83 180 top
C101  10uF  [0805-NO]  159.91,69.27 90 top
C102  10uF  [0805-NO]  157.8,69.27 90 top
C103  10uF  [0805-NO]  231.8,95.72 90 top
C104  10uF  [0805-NO]  225.66,94.3 270 top
C105  1uF  [0603-NO]  220.25,101.35 90 top
C106  0.1uF  [0603-NO]  209.45,93.73 180 top
C107  0.1uF  [0603-NO]  218.09,88.33 90 top
C108  0.1uF  [0603-NO]  215.93,102.87 270 top
C109  1uF  [0603-NO]  218.72,102.74 90 top
C110  0.1uF  [0603-NO]  223.93,94.36 270 top
C111  0.1uF  [0603-NO]  221.77,100.97 90 top
C112  0.1uF  [0603-NO]  208.44,107.19 180 top
C113  22pF  [0603-NO]  210.72,85.47 0 top
C114  22pF  [0603-NO]  214.91,87.38 90 top
C115  1uF  [0603-NO]  222.79,98.68 0 top
C116  0.1uF  [0603-NO]  210.47,99.44 180 top
C117  10uF  [0805-NO]  234.47,100.08 90 top
C118  10uF  [0805-NO]  228.52,113.02 0 top
C119  0.1uF  [0603-NO]  228.76,100.08 270 top
C120  10uF  [0805-NO]  232.16,113.02 180 top
C121  1uF  [0603-NO]  230.92,99.95 90 top
C122  1uF  [0603-NO]  232.69,99.95 90 top
C123  10uF  [0805-NO]  208.44,44.07 0 top
C124  10uF  [0805-NO]  208.44,25.27 0 top
C125  10uF  [0805-NO]  228.63,82.23 0 top
C126  10uF  [0805-NO]  208.31,63.25 0 top
C127  0.1uF  [0603-NO]  208.44,42.42 180 top
C128  0.1uF  [0603-NO]  208.44,23.5 180 top
C129  0.1uF  [0603-NO]  208.31,61.59 180 top
C130  0.1uF  [0603-NO]  228.57,80.71 180 top
C131  0.1uF  [0603-NO]  216.44,87.38 90 top
C132  0.1uF  [0603-NO]  225.91,78.9 270 top
C133  10nF  [0603-NO]  225.91,82.37 270 top
C134  0.1uF  [0603-NO]  222.19,79.83 180 top
C135  10uF  [0805-NO]  221.6,69.27 90 top
C136  10uF  [0805-NO]  219.48,69.27 90 top
C137  10uF  [0805-NO]  46.73,204.87 90 top
C138  10uF  [0805-NO]  40.59,203.44 270 top
C139  1uF  [0603-NO]  35.18,210.49 90 top
C140  0.1uF  [0603-NO]  24.38,202.87 180 top
C141  0.1uF  [0603-NO]  33.02,197.47 90 top
C142  0.1uF  [0603-NO]  30.86,212.01 270 top
C143  1uF  [0603-NO]  33.66,211.88 90 top
C144  0.1uF  [0603-NO]  38.86,203.5 270 top
C145  0.1uF  [0603-NO]  36.7,210.11 90 top
C146  0.1uF  [0603-NO]  23.37,216.33 180 top
C147  22pF  [0603-NO]  25.65,194.61 0 top
C148  22pF  [0603-NO]  29.84,196.52 90 top
C149  1uF  [0603-NO]  37.72,207.82 0 top
C150  0.1uF  [0603-NO]  25.4,208.58 180 top
C151  10uF  [0805-NO]  49.4,209.22 90 top
C152  10uF  [0805-NO]  43.45,222.16 0 top
C153  0.1uF  [0603-NO]  43.69,209.22 270 top
C154  10uF  [0805-NO]  47.09,222.16 180 top
C155  1uF  [0603-NO]  45.85,209.09 90 top
C156  1uF  [0603-NO]  47.62,209.09 90 top
C157  10uF  [0805-NO]  23.37,153.21 0 top
C158  10uF  [0805-NO]  23.37,134.41 0 top
C159  10uF  [0805-NO]  43.56,191.37 0 top
C160  10uF  [0805-NO]  23.24,172.39 0 top
C161  0.1uF  [0603-NO]  23.37,151.56 180 top
C162  0.1uF  [0603-NO]  23.37,132.64 180 top
C163  0.1uF  [0603-NO]  23.24,170.74 180 top
C164  0.1uF  [0603-NO]  43.5,189.85 180 top
C165  0.1uF  [0603-NO]  31.37,196.52 90 top
C166  0.1uF  [0603-NO]  40.84,188.05 270 top
C167  10nF  [0603-NO]  40.84,191.51 270 top
C168  0.1uF  [0603-NO]  37.12,188.98 180 top
C169  10uF  [0805-NO]  36.53,178.41 90 top
C170  10uF  [0805-NO]  34.41,178.41 90 top
C171  10uF  [0805-NO]  108.42,204.87 90 top
C172  10uF  [0805-NO]  102.28,203.44 270 top
C173  1uF  [0603-NO]  96.87,210.49 90 top
C174  0.1uF  [0603-NO]  86.07,202.87 180 top
C175  0.1uF  [0603-NO]  94.71,197.47 90 top
C176  0.1uF  [0603-NO]  92.55,212.01 270 top
C177  1uF  [0603-NO]  95.34,211.88 90 top
C178  0.1uF  [0603-NO]  100.55,203.5 270 top
C179  0.1uF  [0603-NO]  98.39,210.11 90 top
C180  0.1uF  [0603-NO]  85.06,216.33 180 top
C181  22pF  [0603-NO]  87.34,194.61 0 top
C182  22pF  [0603-NO]  91.53,196.52 90 top
C183  1uF  [0603-NO]  99.41,207.82 0 top
C184  0.1uF  [0603-NO]  87.09,208.58 180 top
C185  10uF  [0805-NO]  111.09,209.22 90 top
C186  10uF  [0805-NO]  105.14,222.16 0 top
C187  0.1uF  [0603-NO]  105.38,209.22 270 top
C188  10uF  [0805-NO]  108.78,222.16 180 top
C189  1uF  [0603-NO]  107.54,209.09 90 top
C190  1uF  [0603-NO]  109.31,209.09 90 top
C191  10uF  [0805-NO]  85.06,153.21 0 top
C192  10uF  [0805-NO]  85.06,134.41 0 top
C193  10uF  [0805-NO]  105.25,191.37 0 top
C194  10uF  [0805-NO]  84.93,172.39 0 top
C195  0.1uF  [0603-NO]  85.06,151.56 180 top
C196  0.1uF  [0603-NO]  85.06,132.64 180 top
C197  0.1uF  [0603-NO]  84.93,170.74 180 top
C198  0.1uF  [0603-NO]  105.19,189.85 180 top
C199  0.1uF  [0603-NO]  93.06,196.52 90 top
C200  0.1uF  [0603-NO]  102.53,188.05 270 top
C201  10nF  [0603-NO]  102.53,191.51 270 top
C202  0.1uF  [0603-NO]  98.81,188.98 180 top
C203  10uF  [0805-NO]  98.22,178.41 90 top
C204  10uF  [0805-NO]  96.1,178.41 90 top
C205  10uF  [0805-NO]  170.11,204.87 90 top
C206  10uF  [0805-NO]  163.97,203.44 270 top
C207  1uF  [0603-NO]  158.56,210.49 90 top
C208  0.1uF  [0603-NO]  147.76,202.87 180 top
C209  0.1uF  [0603-NO]  156.4,197.47 90 top
C210  0.1uF  [0603-NO]  154.24,212.01 270 top
C211  1uF  [0603-NO]  157.04,211.88 90 top
C212  0.1uF  [0603-NO]  162.24,203.5 270 top
C213  0.1uF  [0603-NO]  160.08,210.11 90 top
C214  0.1uF  [0603-NO]  146.75,216.33 180 top
C215  22pF  [0603-NO]  149.03,194.61 0 top
C216  22pF  [0603-NO]  153.23,196.52 90 top
C217  1uF  [0603-NO]  161.1,207.82 0 top
C218  0.1uF  [0603-NO]  148.78,208.58 180 top
C219  10uF  [0805-NO]  172.78,209.22 90 top
C220  10uF  [0805-NO]  166.83,222.16 0 top
C221  0.1uF  [0603-NO]  167.07,209.22 270 top
C222  10uF  [0805-NO]  170.47,222.16 180 top
C223  1uF  [0603-NO]  169.23,209.09 90 top
C224  1uF  [0603-NO]  171.01,209.09 90 top
C225  10uF  [0805-NO]  146.75,153.21 0 top
C226  10uF  [0805-NO]  146.75,134.41 0 top
C227  10uF  [0805-NO]  166.94,191.37 0 top
C228  10uF  [0805-NO]  146.62,172.39 0 top
C229  0.1uF  [0603-NO]  146.75,151.56 180 top
C230  0.1uF  [0603-NO]  146.75,132.64 180 top
C231  0.1uF  [0603-NO]  146.62,170.74 180 top
C232  0.1uF  [0603-NO]  166.88,189.85 180 top
C233  0.1uF  [0603-NO]  154.75,196.52 90 top
C234  0.1uF  [0603-NO]  164.22,188.05 270 top
C235  10nF  [0603-NO]  164.22,191.51 270 top
C236  0.1uF  [0603-NO]  160.5,188.98 180 top
C237  10uF  [0805-NO]  159.91,178.41 90 top
C238  10uF  [0805-NO]  157.8,178.41 90 top
C239  10uF  [0805-NO]  231.8,204.87 90 top
C240  10uF  [0805-NO]  225.66,203.44 270 top
C241  1uF  [0603-NO]  220.25,210.49 90 top
C242  0.1uF  [0603-NO]  209.45,202.87 180 top
C243  0.1uF  [0603-NO]  218.09,197.47 90 top
C244  0.1uF  [0603-NO]  215.93,212.01 270 top
C245  1uF  [0603-NO]  218.72,211.88 90 top
C246  0.1uF  [0603-NO]  223.93,203.5 270 top
C247  0.1uF  [0603-NO]  221.77,210.11 90 top
C248  0.1uF  [0603-NO]  208.44,216.33 180 top
C249  22pF  [0603-NO]  210.72,194.61 0 top
C250  22pF  [0603-NO]  214.91,196.52 90 top
C251  1uF  [0603-NO]  222.79,207.82 0 top
C252  0.1uF  [0603-NO]  210.47,208.58 180 top
C253  10uF  [0805-NO]  234.47,209.22 90 top
C254  10uF  [0805-NO]  228.52,222.16 0 top
C255  0.1uF  [0603-NO]  228.76,209.22 270 top
C256  10uF  [0805-NO]  232.16,222.16 180 top
C257  1uF  [0603-NO]  230.92,209.09 90 top
C258  1uF  [0603-NO]  232.69,209.09 90 top
C259  10uF  [0805-NO]  208.44,153.21 0 top
C260  10uF  [0805-NO]  208.44,134.41 0 top
C261  10uF  [0805-NO]  228.63,191.37 0 top
C262  10uF  [0805-NO]  208.31,172.39 0 top
C263  0.1uF  [0603-NO]  208.44,151.56 180 top
C264  0.1uF  [0603-NO]  208.44,132.64 180 top
C265  0.1uF  [0603-NO]  208.31,170.74 180 top
C266  0.1uF  [0603-NO]  228.57,189.85 180 top
C267  0.1uF  [0603-NO]  216.44,196.52 90 top
C268  0.1uF  [0603-NO]  225.91,188.05 270 top
C269  10nF  [0603-NO]  225.91,191.51 270 top